# Altium PCB LimePSB-RPCM_1v5.PcbDoc (part 3 of 12) (continued)
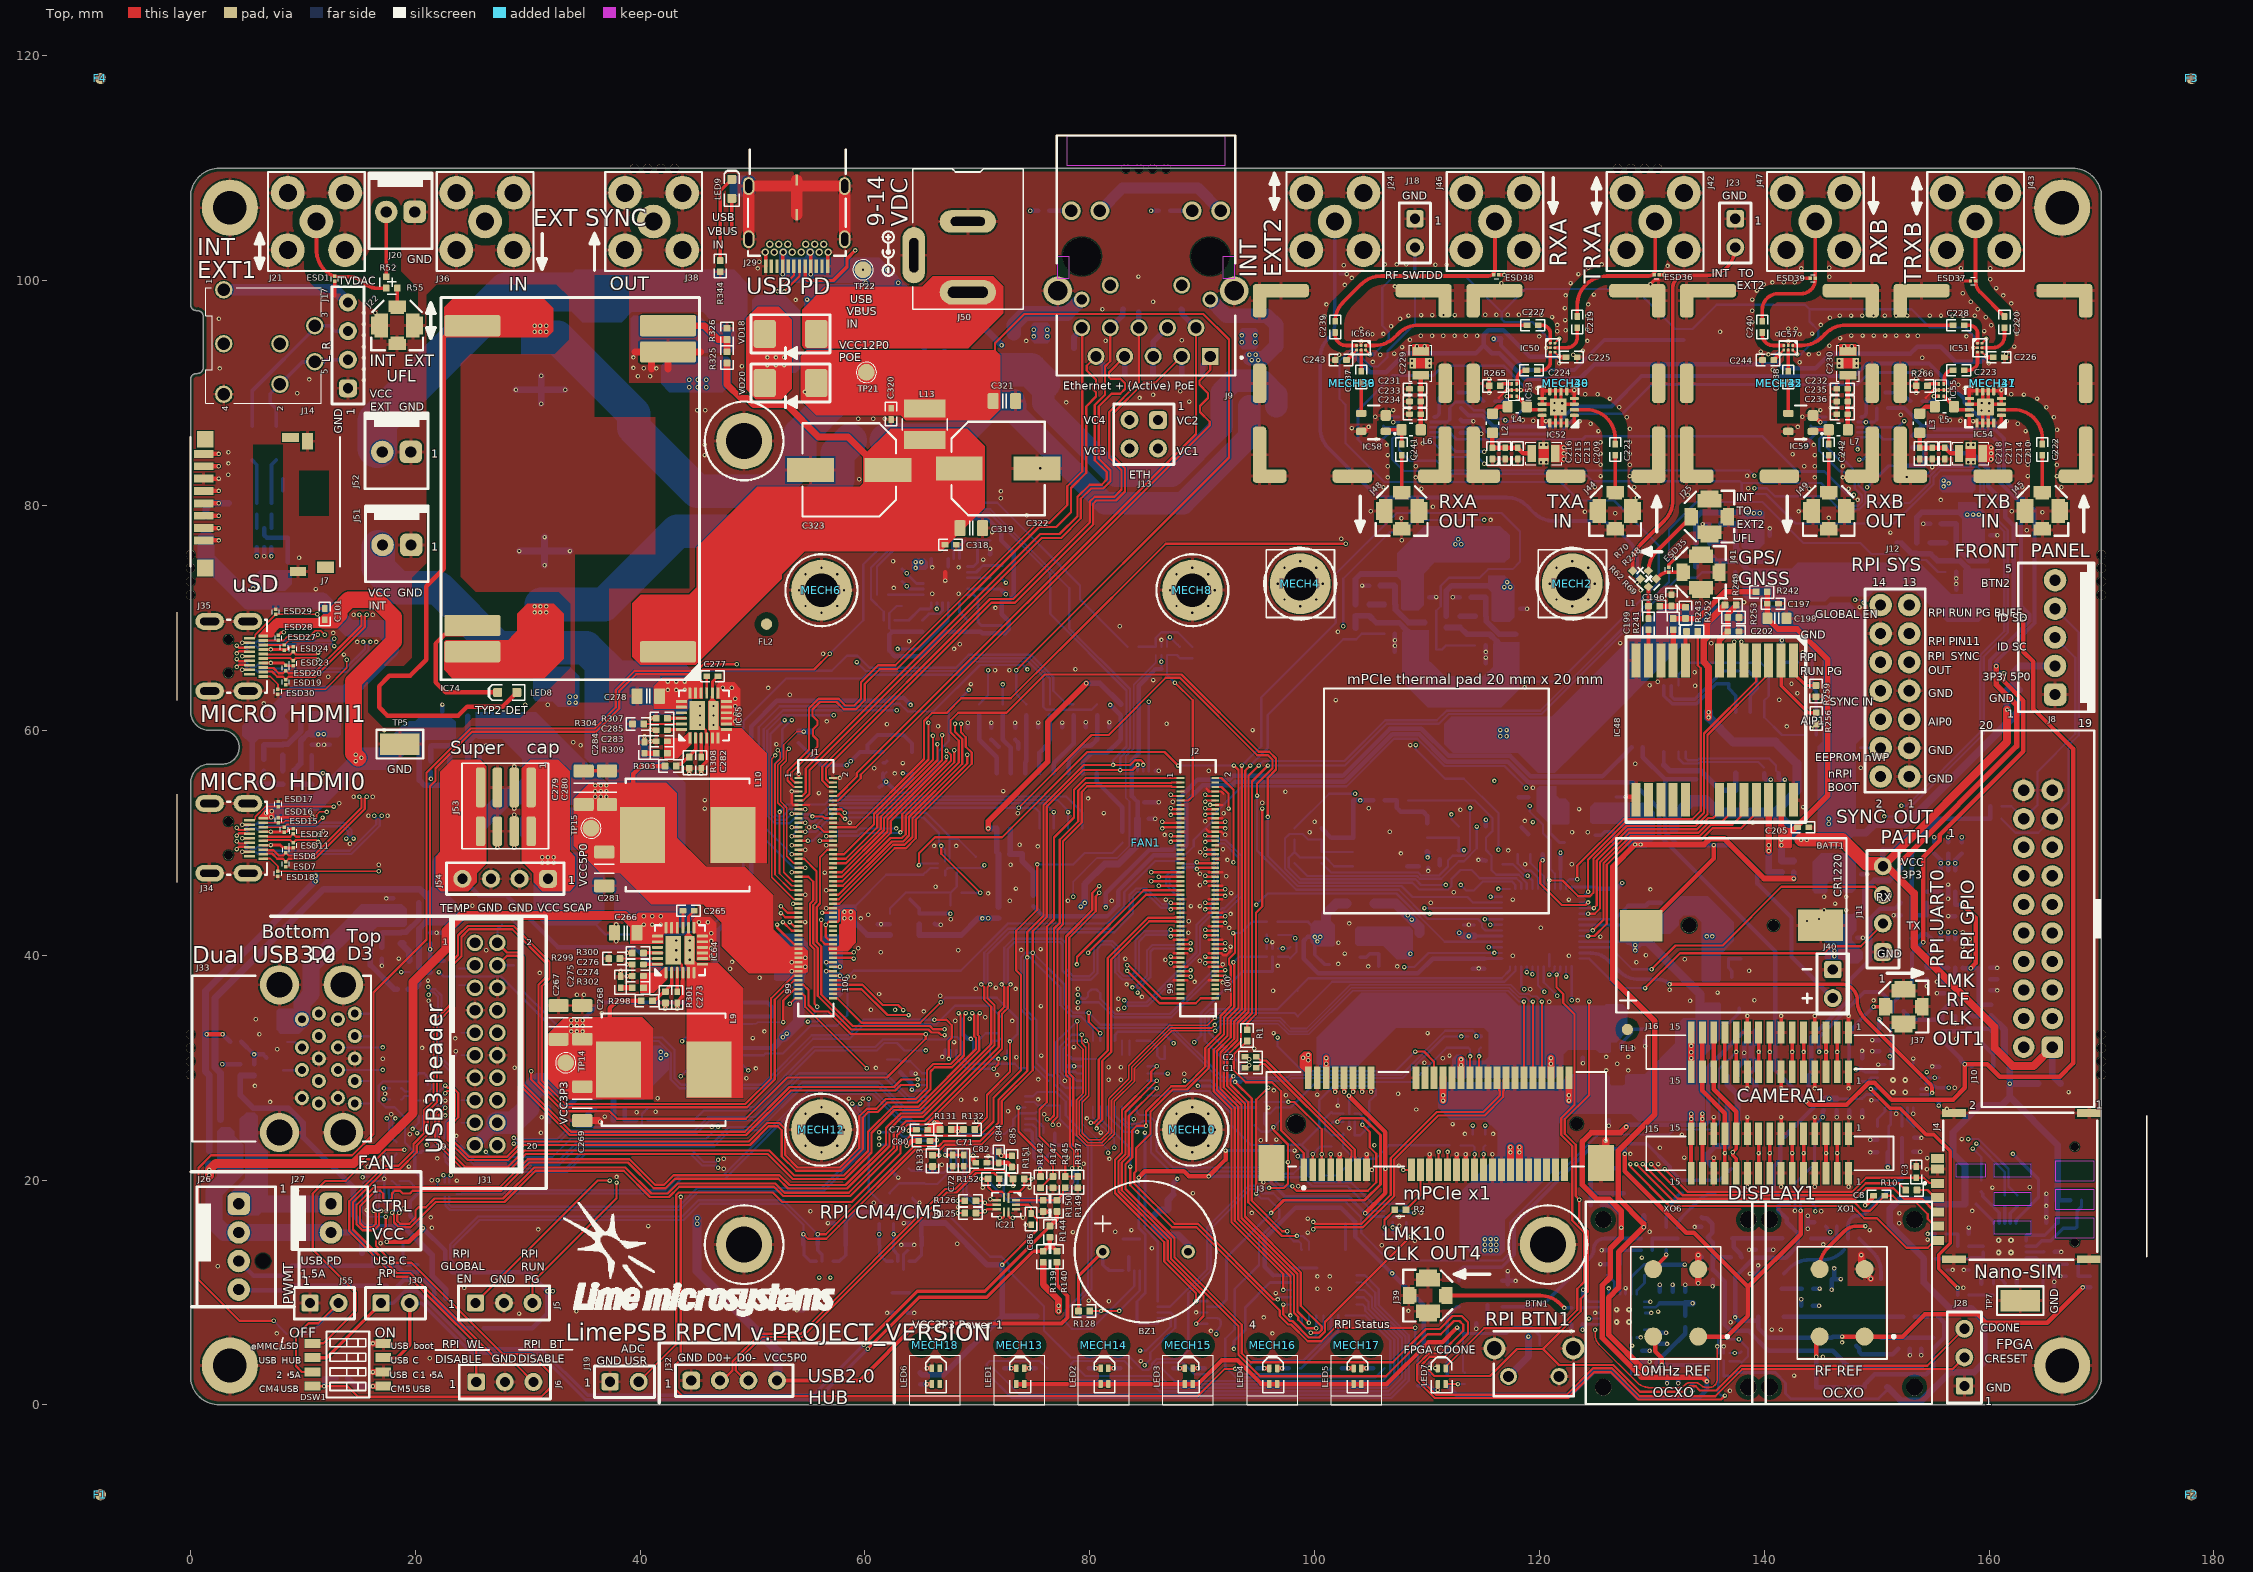
[diagram p0: Top view]
## Part data (continued)
IC5: library part NC7WZ16P6X_DUAL_BUFFER, Manufacturer=Nexperia, Manufacturer Part Number 1=74LVC2G34GW,125, Supplier Part Number 1=1727-4219-1-ND, ComponentLink1Description=https://assets.nexperia.com/documents/data-sheet/74LVC2G34.pdf?src-supplier=Digi-Key, ComponentLink1URL=https://assets.nexperia.com/documents/data-sheet/74LVC2G34.pdf?src-supplier=Digi-Key, Part Description="Buffer, Non-Inverting 2 Element 1 Bit per Element Push-Pull Output 6-TSSOP", Pricing 1="1=0,430000, 10=0,321000, 25=0,281200, 100=0,182000, 250=0,150640, 500=0,120520, 1000=0,092400 (USD)", RoHS=Yes, RoHS Compliant=Yes, Stock 1=2900, Supplier 1=Digi-Key
IC6: library part MCP3208-CI/SL, "2.7V 4-Channel/8-Channel 12-Bit A/D Converters with SPI Serial Interface, 16-Pin SOIC 150mil, C Performance Grade, Industrial Temperature", Manufacturer=Microchip, Manufacturer Part Number 1=MCP3208T-CI/SL, Supplier Part Number 1=MCP3208T-CI/SLCT-ND, Mounting Technology="Surface Mount", PackageDescription="16-Lead Plastic Small Outline (SL) - Narrow, 3.90mm Body [SOIC]", PackageReference=SOIC-SL16, PackageVersion="revBB, Aug-2009", Part Description="12 Bit Analog to Digital Converter 4, 8 Input 1 SAR 16-SOIC", PartNumber=MCP3208-CI/SL, Supplier 1=Digi-Key
IC7: Manufacturer="NXP Semiconductors", Manufacturer Part Number 1=LM75BTP,147, Operating Temperature="-55°C ~ 125°C", Package / Case="8-WFDFN Exposed Pad", Sensing Temperature - Remote=-, Supplier Device Package="8-HWSON (2x3)", Supplier Part Number 1=568-9815-2-ND, Voltage - Supply="2.8 V ~ 5.5 V", Accuracy - Highest (Lowest)="±2°C (±3°C)", Category="Sensors, Transducers", Features="Output Switch, Programmable Limit, Shutdown Mode", Output Type=I²C, Packaging="Tape & Reel (TR)", Part Description="SENSOR TEMPERATURE I2C 8HWSON", Resolution="10 b", RoHS="RoHS Compliant", Sensing Temperature - Local="-55°C ~ 125°C", Sensor Type="Digital, Local", Supplier 1=Digi-Key, Test Condition="-25°C ~ 100°C (-55°C ~ 125°C)"
IC8: library part 24FC64F, Base Part Number=CAT24C128, Manufacturer="ON Semiconductor", Operating Temperature="-40°C ~ 85°C (TA)", Package / Case="8-SOIC (0.154\", 3.90mm Width)", Supplier Device Package=8-SOIC, Supplier Part Number 1=CAT24C128WI-GT3CT-ND, Voltage - Supply="1.8 V ~ 5.5 V", Category="Integrated Circuits (ICs)", ComponentLink1Description=http://www.onsemi.com/pub/Collateral/CAT24C128-D.PDF, ComponentLink1URL=http://www.onsemi.com/pub/Collateral/CAT24C128-D.PDF, Manufacturer Part Number 1=CAT24C128WI-GT3, Memory Format=EEPROM, Memory Interface=I²C, Memory Size="128Kb (16K x 8)", Memory Type=Non-Volatile, Mounting Type="Surface Mount", Packaging="Cut Tape (CT)", Part Description="EEPROM Memory IC 128Kb (16K x 8) I²C 1MHz 400ns 8-SOIC", Part Status=Active, Pricing 1="1=0.31, 10=0.309, 100=0.2532, 500=0.24616, 1000=0.23956 (USD)", RoHS="RoHS Compliant", Stock 1=14804, Supplier 1=Digi-Key, Technology=EEPROM, Write Cycle Time - Word, Page=5ms
IC9: library part M24128-DFMC6TG, Manufacturer=STMicroelectronics, Operating Temperature="-40°C ~ 85°C (TA)", Package / Case="8-UFDFN Exposed Pad", Supplier Device Package="8-UFDFPN (2x3)", Supplier Part Number 1=497-15739-1-ND, Voltage - Supply="1.7 V ~ 5.5 V", Category="Integrated Circuits (ICs)", ComponentLink1Description=http://www.st.com/content/ccc/resource/technical/document/datasheet/59/05/c9/5b/7b/41/48/b6/CD00259167.pdf/files/CD00259167.pdf/jcr:content/translations/en.CD00259167.pdf, ComponentLink1URL=http://www.st.com/content/ccc/resource/technical/document/datasheet/59/05/c9/5b/7b/41/48/b6/CD00259167.pdf/files/CD00259167.pdf/jcr:content/translations/en.CD00259167.pdf, Manufacturer Part Number 1=M24128-DFMC6TG, Memory Format=EEPROM, Memory Interface=I²C, Memory Size="128Kb (16K x 8)", Memory Type=Non-Volatile, Mounting Type="Surface Mount", Packaging="Cut Tape (CT)", Part Description="EEPROM Memory IC 128Kb (16K x 8) I²C 1MHz 450ns 8-UFDFPN (2x3)", Part Status=Active, Pricing 1="1=0.35, 10=0.348, 100=0.2854, 500=0.27748, 1000=0.27004 (USD)", RoHS="RoHS Compliant", Stock 1=5894, Supplier 1=Digi-Key, Technology=EEPROM, Write Cycle Time - Word, Page=5ms
IC10: library part ATECC508A_authentication_IC, Base Part Number=ATECC508, Manufacturer="Microchip Technology", Manufacturer Part Number 1=ATECC508A-SSHDA-T, Package / Case="8-SOIC (0.154\", 3.90mm Width)", Supplier Device Package=8-SOIC, Supplier Part Number 1=ATECC508A-SSHDA-TCT-ND, Applications="Networking and Communications", Category="Integrated Circuits (ICs)", Mounting Type="Surface Mount", Packaging="Cut Tape (CT)", Part Description="Authentication Chip IC Networking and Communications 8-SOIC", Part Status=Active, RoHS="RoHS Compliant", Supplier 1=Digi-Key, Type="Authentication Chip"
IC11: library part ATECC508A_authentication_IC, Manufacturer=Microchip, Manufacturer Part Number 1=ATECC508A-MAHDA-S, Supplier Part Number 1=ATECC508A-MAHDA-SDKR-ND, Part Description="Authentication Chip IC Networking and Communications 8-UDFN (2x3)", Pricing 1="1=0.73, 25=0.7064 (USD)", Stock 1=27941, Supplier 1=Digi-Key
IC12 IC15: library part MCP23017-E/ML_I2C_expander, Manufacturer=Microchip, Supplier Part Number 1=MCP23017-E/ML-ND, ComponentLink1Description=https://datasheet.ciiva.com/1496/12179-1496011.pdf?src-supplier=Element14, ComponentLink1URL=https://datasheet.ciiva.com/1496/12179-1496011.pdf?src-supplier=Element14, ComponentLink2Description=https://datasheet.ciiva.com/1780/21952b-1780121.pdf?src-supplier=Digi-Key, ComponentLink2URL=https://datasheet.ciiva.com/1780/21952b-1780121.pdf?src-supplier=Digi-Key, ComponentLink3Description=https://datasheet.ciiva.com/3149/21952b-3149158.pdf?src-supplier=Avnet, ComponentLink3URL=https://datasheet.ciiva.com/3149/21952b-3149158.pdf?src-supplier=Avnet, ComponentLink4Description=https://datasheet.ciiva.com/16222/filehandler-aspxddocname-en023709-16222331.pdf?src-supplier=Future+Electronics, ComponentLink4URL=https://datasheet.ciiva.com/16222/filehandler-aspxddocname-en023709-16222331.pdf?src-supplier=Future+Electronics, Manufacturer Part Number 1=MCP23017-E/ML, Part Description="I/O Expander 16 I²C 1.7 MHz 28-QFN (6x6)", Pricing 1="1=1,9, 25=1,59, 100=1,44 (USD)", RoHS=Yes, Stock 1=3965, Supplier 1=Digi-Key
IC13: library part EMC2301-1-ACZL-TR_MOTOR_DRIVER, Case/Package=MSOP, Manufacturer=Microchip, Max Operating Temperature=125°C, Max Supply Voltage=3.6V, Min Operating Temperature=-40°C, Min Supply Voltage=3V, Operating Supply Current=350uA, Operating Supply Voltage=3.3V, Supplier Part Number 1=EMC2301-1-ACZL-CT-ND, ComponentLink1Description=https://datasheet.ciiva.com/29573/2301-29573777.pdf?src-supplier=Digikey, ComponentLink1URL=https://datasheet.ciiva.com/29573/2301-29573777.pdf?src-supplier=Digikey, ComponentLink2Description=https://datasheet.ciiva.com/48437/2301-48437622.pdf?src-supplier=Avnet, ComponentLink2URL=https://datasheet.ciiva.com/48437/2301-48437622.pdf?src-supplier=Avnet, Interface=I2C,SMBus,2-Wire,PWM, Lead Free="Lead Free", Manufacturer Part Number 1=EMC2301-1-ACZL-TR, Max Supply Voltage (DC)=3.6V, Min Supply Voltage (DC)=3V, Mount="Surface Mount", Number of Pins=8, Output Type=Digital, Packaging="Tape and Reel", Part Description="IC MOTOR DRIVER 3V-3.6V 8MSOP", Pricing 1="1=1,23, 25=1,03, 100=0,9875 (USD)", RoHS=Yes, Series=-, Stock 1=45372, Supplier 1=Digikey
IC14: library part PCF85063AT_RTC_CALENDAR, Case/Package=SOIC, Manufacturer="NXP Semiconductors", Manufacturer Part Number 1=PCF85063AT/AY, Max Operating Temperature=85°C, Min Operating Temperature=-40°C, Supplier Part Number 1=568-12403-1-ND, ComponentLink1Description=http://www.farnell.com/datasheets/2014362.pdf?src-supplier=Farnell, ComponentLink1URL=http://www.farnell.com/datasheets/2014362.pdf?src-supplier=Farnell, ComponentLink2Description=https://www.nxp.com/docs/en/data-sheet/PCF85063A.pdf?src-supplier=Digi-Key, ComponentLink2URL=https://www.nxp.com/docs/en/data-sheet/PCF85063A.pdf?src-supplier=Digi-Key, ComponentLink3Description=http://www.nxp.com/documents/data_sheet/PCF85063A.pdf?src-supplier=Avnet, ComponentLink3URL=http://www.nxp.com/documents/data_sheet/PCF85063A.pdf?src-supplier=Avnet, ComponentLink4Description=https://datasheet.ciiva.com/48465/pcf85063a-48465101.pdf?src-supplier=Avnet, ComponentLink4URL=https://datasheet.ciiva.com/48465/pcf85063a-48465101.pdf?src-supplier=Avnet, Date Format=YY-MM-DD-dd, Interface=I2C,Serial,2-Wire, Lead Free="Lead Free", Logic Function=Clock, Mount="Surface Mount", Number of Pins=8, Packaging="Tape and Reel", Part Description="IC RTC CLOCK/CALENDAR I2C 8SO", Pricing 1="1=1,05000, 10=0,93800, 25=0,89040, 100=0,73150, 250=0,68380, 500=0,60428, 1000=0,47707 (USD)", Radiation Hardening=No, RoHS=Yes, RoHS Compliant=Yes, Stock 1=6716, Supplier 1=Digi-Key, Time Format="HH:MM:SS (12/24 hr)"
IC16: library part PCF85063AT_RTC_CALENDAR, Case/Package=TSSOP, Manufacturer="NXP Semiconductors", Manufacturer Part Number=PCF85063ATT/AJ, Max Operating Temperature=85°C, Max Supply Voltage=5.5V, Min Operating Temperature=-40°C, Min Supply Voltage=900mV, Supplier Part Number 1=568-12404-1-ND, ComponentLink1Description=http://www.farnell.com/datasheets/2014362.pdf?src-supplier=Farnell, ComponentLink1URL=http://www.farnell.com/datasheets/2014362.pdf?src-supplier=Farnell, ComponentLink2Description=https://www.nxp.com/docs/en/data-sheet/PCF85063A.pdf?src-supplier=Digi-Key, ComponentLink2URL=https://www.nxp.com/docs/en/data-sheet/PCF85063A.pdf?src-supplier=Digi-Key, ComponentLink3Description=http://www.nxp.com/documents/data_sheet/PCF85063A.pdf?src-supplier=Avnet, ComponentLink3URL=http://www.nxp.com/documents/data_sheet/PCF85063A.pdf?src-supplier=Avnet, Contact Plating=Gold, Date Format=YY-MM-DD-dd, Interface=I2C,Serial,2-Wire, Lead Free="Lead Free", Logic Function=Clock, Manufacturer Part Number 1=PCF85063ATT/AJ, Mount="Surface Mount", Number of Pins=8, Packaging="Tape and Reel", Part Description="Real Time Clock (RTC) IC Clock/Calendar - I²C, 2-Wire Serial 8-SOIC (0.154\", 3.90mm Width)", Pricing 1="1=1,06000, 10=0,94800, 25=0,89920, 100=0,73870, 250=0,69056, 500=0,61028, 1000=0,50779 (USD)", RoHS=Yes, RoHS Compliant=Yes, Stock 1=56211, Supplier 1=Digi-Key, Time Format="HH:MM:SS (12/24 hr)"
IC18: library part ICE5LP4K-SG48ITR_Lattice_FPGA, Manufacturer="Lattice Semiconductor", Supplier Part Number 1=220-2234-1-ND, ComponentLink1Description=https://datasheet.octopart.com/ICE5LP4K-SG48ITR-Lattice-Semiconductor-datasheet-46750633.pdf?src-supplier=Future+Electronics, ComponentLink1URL=https://datasheet.octopart.com/ICE5LP4K-SG48ITR-Lattice-Semiconductor-datasheet-46750633.pdf?src-supplier=Future+Electronics, ComponentLink2Description=http://www.latticesemi.com/~/media/LatticeSemi/Documents/DataSheets/iCE/iCE40UltraFamilyDataSheet.pdf?src-supplier=Digikey, ComponentLink2URL=http://www.latticesemi.com/~/media/LatticeSemi/Documents/DataSheets/iCE/iCE40UltraFamilyDataSheet.pdf?src-supplier=Digikey, ComponentLink3Description=https://datasheet.octopart.com/ICE5LP4K-SG48ITR-Lattice-Semiconductor-datasheet-94675077.pdf?src-supplier=SHENGYU+ELECTRONICS, ComponentLink3URL=https://datasheet.octopart.com/ICE5LP4K-SG48ITR-Lattice-Semiconductor-datasheet-94675077.pdf?src-supplier=SHENGYU+ELECTRONICS, Manufacturer Part Number 1=ICE5LP4K-SG48ITR, Part Description="iCE40 Ultra™ Field Programmable Gate Array (FPGA) IC 39 81920 3520 48-VFQFN Exposed Pad", Pricing 1="1=8,8, 25=7,65, 100=7,41 (USD)", RoHS=Yes, Stock 1=1298, Supplier 1=Digikey
IC19: library part M25P40_with_pad, Manufacturer=Macronix, Supplier Part Number 1=1092-MX25U1632FM2I02-ND, ComponentLink1Description=http://www.winbond.com/resource-files/w25q128jv%20revf%2003272018%20plus.pdf?src-supplier=Digi-Key, ComponentLink1URL=http://www.winbond.com/resource-files/w25q128jv%20revf%2003272018%20plus.pdf?src-supplier=Digi-Key, ComponentLink2Description=http://www.macronix.com/Lists/Datasheet/Attachments/7549/MX25L25645G,%203V,%20256Mb,%20v1.7.pdf?src-supplier=Digi-Key, ComponentLink2URL=http://www.macronix.com/Lists/Datasheet/Attachments/7549/MX25L25645G,%203V,%20256Mb,%20v1.7.pdf?src-supplier=Digi-Key, ComponentLink3Description=http://ckassoc.com/oldsite/pdf/Macronix_Product_Line_Card_July_2017_General%20_070617.pdf?src-supplier=Digi-Key, ComponentLink3URL=http://ckassoc.com/oldsite/pdf/Macronix_Product_Line_Card_July_2017_General%20_070617.pdf?src-supplier=Digi-Key, ComponentLink4Description=http://www.macronix.com/Lists/Datasheet/Attachments/7444/MX25L25673G,%203V,%20256Mb,%20v1.4.pdf?src-supplier=Digi-Key, ComponentLink4URL=http://www.macronix.com/Lists/Datasheet/Attachments/7444/MX25L25673G,%203V,%20256Mb,%20v1.4.pdf?src-supplier=Digi-Key, Manufacturer Part Number 1=MX25U1632FM2I02, Part Description="IC FLASH 16MBIT SPI/QUAD 8SOP", Pricing 1="1=0,6, 10=0,536, 25=0,5116, 92=0,47837, 184=0,46158, 276=0,45203, 552=0,43612, 1012=0,42265, 5060=0,4 (USD)", RoHS=No, Stock 1=6909, Supplier 1=Digikey
IC20: library part USB2517-JZX-TR_USB_HUB, Manufacturer=Microchip, Manufacturer Part Number 1=USB2517-JZX-TR, Max Operating Temperature=70°C, Min Operating Temperature=0°C, Operating Supply Current=130mA, Package Quantity=3000, Supplier Part Number 1=USB2517-JZX-CT-ND, ComponentLink1Description=https://datasheet.ciiva.com/29644/2517-29644802.pdf?src-supplier=Digi-Key, ComponentLink1URL=https://datasheet.ciiva.com/29644/2517-29644802.pdf?src-supplier=Digi-Key, Interface=USB, Lead Free="Lead Free", Packaging="Tape and Reel", Part Description="USB Hub Controller USB 2.0 USB Interface 64-QFN (9x9)", Pricing 1="1=5,72000, 25=5,55000 (USD)", RoHS=Yes, RoHS Compliant=Yes, Stock 1=26622, Supplier 1=Digi-Key
IC21 IC26 IC27 IC47: library part FSUSB42UMX, Manufacturer="NXP Semiconductors", Manufacturer Part Number 1=NX3DV42GU,115, Supplier Part Number 1=568-12388-1-ND, ComponentLink1Description=https://www.fairchildsemi.com/datasheets/FS/FSUSB42.pdf, ComponentLink1URL=https://www.fairchildsemi.com/datasheets/FS/FSUSB42.pdf, ComponentLink2Description=http://www.mouser.com/ds/2/302/NX3DV42-1127466.pdf?src-supplier=Mouser, ComponentLink2URL=http://www.mouser.com/ds/2/302/NX3DV42-1127466.pdf?src-supplier=Mouser, ComponentLink3Description=http://www.nxp.com/documents/data_sheet/NX3DV42.pdf?src-supplier=Avnet, ComponentLink3URL=http://www.nxp.com/documents/data_sheet/NX3DV42.pdf?src-supplier=Avnet, ComponentLink4Description=http://www.nxp.com/documents/data_sheet/NX3DV42.pdf?src-supplier=Digikey, ComponentLink4URL=http://www.nxp.com/documents/data_sheet/NX3DV42.pdf?src-supplier=Digikey, ComponentLink5Description=https://www.nxp.com/docs/en/data-sheet/NX3DV42.pdf?src-supplier=Digikey, ComponentLink5URL=https://www.nxp.com/docs/en/data-sheet/NX3DV42.pdf?src-supplier=Digikey, Part Description="USB Switch IC 1 Channel 10-UMLP (1.8x1.4)", Pricing 1="1=0,89, 10=0,781, 25=0,7336, 100=0,5987, 250=0,55612, 500=0,47328, 1000=0,37863 (USD)", RoHS=Yes, Stock 1=3109, Supplier 1=Digikey
IC22: library part 24FC64F, Case/Package=SOIC, Frequency=400kHz, Manufacturer=STMicroelectronics, Manufacturer Part Number 1=M24C02-RMN6TP, Max Operating Temperature=85°C, Max Supply Voltage=5.5V, Min Operating Temperature=-40°C, Min Supply Voltage=1.8V, Nominal Supply Current=800uA, Package Quantity=1, Supplier Part Number 1=497-8633-1-ND, Access Time=900ns, Access Time-Max=900ns, ComponentLink1Description=http://www.onsemi.com/pub/Collateral/CAT24C128-D.PDF, ComponentLink1URL=http://www.onsemi.com/pub/Collateral/CAT24C128-D.PDF, ComponentLink2Description=https://datasheet.ciiva.com/41455/001186000-da-01-en-ic-eeprom-2kbit-m24c02-rmn6tp-soic-8-stm-41455162.pdf?src-supplier=Conrad, ComponentLink2URL=https://datasheet.ciiva.com/41455/001186000-da-01-en-ic-eeprom-2kbit-m24c02-rmn6tp-soic-8-stm-41455162.pdf?src-supplier=Conrad, Contact Plating=Gold, Density=2Kb, Height=1.25mm, Interface=I2C,Serial,2-Wire, Lead Free="Lead Free", Length=4.9mm, Max Frequency=400kHz, Memory Size=2Kb, Memory Type=EEPROM, Mount="Surface Mount", Number of Pins=8, Organization=256X8, Packaging="Tape and Reel", Part Description="IC EEPROM 2KBIT I2C 400KHZ 8SOIC", Pricing 1="1=0,17000, 10=0,16400, 25=0,15200, 50=0,15140, 100=0,13440, 250=0,13272, 500=0,13070, 1000=0,12721 (USD)", Programming Voltage=5.5V, Radiation Hardening=No, Reach SVHC Compliant=Yes, RoHS=Yes, RoHS Compliant=Yes, Series=-, Stock 1=84403, Supplier 1=Digi-Key, Supply Current=800uA, Supply Voltage-Nom=5.5V, Width=3.9mm, Write Cycle Time-Max (tWC)=5ms, Write Protection=YES
IC23: library part M24128-DFMC6TG, Manufacturer=Microchip, Manufacturer Part Number 1=AT24C02C-MAHM-E, Supplier Part Number 1=AT24C02C-MAHM-ECT-ND, ComponentLink1Description=http://www.st.com/content/ccc/resource/technical/document/datasheet/59/05/c9/5b/7b/41/48/b6/CD00259167.pdf/files/CD00259167.pdf/jcr:content/translations/en.CD00259167.pdf, ComponentLink1URL=http://www.st.com/content/ccc/resource/technical/document/datasheet/59/05/c9/5b/7b/41/48/b6/CD00259167.pdf/files/CD00259167.pdf/jcr:content/translations/en.CD00259167.pdf, ComponentLink2Description=http://www.microchip.com/mymicrochip/filehandler.aspx?ddocname=en590438&src-supplier=Digi-Key, ComponentLink2URL=http://www.microchip.com/mymicrochip/filehandler.aspx?ddocname=en590438&src-supplier=Digi-Key, Part Description="IC EEPROM 2KBIT I2C 1MHZ 8UDFN", Pricing 1="1=0,28000 (USD)", RoHS=No, RoHS Compliant=No, Stock 1=14438, Supplier 1=Digi-Key
IC29 IC30: library part FUSB340TMX_USB_switch, Manufacturer="ON Semiconductor / Fairchild", Max Operating Temperature=85°C, Max Supply Voltage=5V, Min Operating Temperature=-40°C, Min Supply Voltage=1.5V, Nominal Supply Current=12uA, Supplier Part Number 1=FUSB340TMXCT-ND, ComponentLink1Description=http://www.farnell.com/datasheets/2313412.pdf?src-supplier=Farnell, ComponentLink1URL=http://www.farnell.com/datasheets/2313412.pdf?src-supplier=Farnell, ComponentLink2Description=http://www.farnell.com/datasheets/2313412.pdf?src-supplier=Newark, ComponentLink2URL=http://www.farnell.com/datasheets/2313412.pdf?src-supplier=Newark, ComponentLink3Description=https://datasheet.octopart.com/FUSB340TMX-ON-Semiconductor-datasheet-85553255.pdf?src-supplier=Farnell, ComponentLink3URL=https://datasheet.octopart.com/FUSB340TMX-ON-Semiconductor-datasheet-85553255.pdf?src-supplier=Farnell, ComponentLink4Description=https://datasheet.octopart.com/FUSB340TMX-ON-Semiconductor-datasheet-46935021.pdf?src-supplier=Future+Electronics, ComponentLink4URL=https://datasheet.octopart.com/FUSB340TMX-ON-Semiconductor-datasheet-46935021.pdf?src-supplier=Future+Electronics, ComponentLink5Description=https://www.fairchildsemi.com/Assets/-Featured-Collateral/Datasheet-Briefs/FUSB340_PB_Final.pdf?src-supplier=Avnet, ComponentLink5URL=https://www.fairchildsemi.com/Assets/-Featured-Collateral/Datasheet-Briefs/FUSB340_PB_Final.pdf?src-supplier=Avnet, Data Rate=10Gbps, Height=400um, Interface=USB, Manufacturer Part Number 1=FUSB340TMX, Mount="Surface Mount", Number of Pins=18, Number of Switches=4, Operating Supply Current=12uA, Packaging="Cut Tape", Part Description="USB Switch USB 3.1 USB Interface 18-TMLP (2x2.8)", Pricing 1="1=1,15, 10=1,026, 25=0,9744, 100=0,7481, 250=0,66108, 500=0,6263, 1000=0,48712, 2500=0,46277 (USD)", RoHS=Yes, RoHS Compliant=Yes, Series=-, Stock 1=7942, Supplier 1=Digikey, Weight=0.0065g
IC31 IC39: Frequency - Max=200MHz, Manufacturer="Texas Instruments", Manufacturer Part Number 1=LMK00105SQ/NOPB, Operating Temperature="-40°C ~ 85°C", Package / Case="24-WFQFN Exposed Pad", Supplier Device Package="24-WQFN (4x4)", Supplier Part Number 1=LMK00105SQ/NOPBCT-ND, Voltage - Supply="2.375 V ~ 3.45 V", Category="Integrated Circuits (ICs)", Differential - Input:Output=Yes/No, Input="HCSL, LVCMOS, LVDS, LVPECL, LVTTL, SSTL, Crystal", Part Description="IC CLK BUFFER 2:5 200MHZ 24WQFN", Supplier 1=Digi-Key, Type="Fanout Buffer (Distribution), Multiplexer, Translator"
IC32: library part TMUX1204DGSR_ANALOG_SWITCH, Manufacturer="Texas Instruments", Max Supply Voltage=5.5V, Min Supply Voltage=1.08V, Nominal Supply Current=10nA, On-State Resistance=5R, Resistance=9R, Supplier Part Number 1=296-TMUX1204DGSRCT-ND, ComponentLink1Description=http://www.ti.com/general/docs/suppproductinfo.tsp?distId=10&amp;gotoUrl=http%3A%2F%2Fwww.ti.com%2Flit%2Fgpn%2Ftmux1204&src-supplier=Digikey, ComponentLink1URL=http://www.ti.com/general/docs/suppproductinfo.tsp?distId=10&amp;gotoUrl=http%3A%2F%2Fwww.ti.com%2Flit%2Fgpn%2Ftmux1204&src-supplier=Digikey, Height=1.07mm, Length=3mm, Manufacturer Part Number 1=TMUX1204DGSR, Number of Channels=1NUMBER, Number of Pins=10NUMBER, Part Description="1 Circuit IC Switch 4:1 5Ohm (Typ) 10-VSSOP", Pricing 1="1=0,49, 10=0,347, 25=0,3096, 100=0,269, 250=0,24964, 500=0,23794, 1000=0,22832 (USD)", RoHS=Yes, Stock 1=2584, Supplier 1=Digikey, Thickness=1.02mm, Throw Configuration="4360Throw Configuration", Width=3mm
IC34 IC44: library part LP5907, Case/Package=SOT-23-5, Dropout Voltage=50mV, Manufacturer="Texas Instruments", Manufacturer Part Number 1=LP5907QMFX-3.0Q1, Max Input Voltage=5.5V, Max Operating Temperature=125°C, Max Output Current=250mA, Min Input Voltage=2.2V, Min Operating Temperature=-40°C, Output Voltage=3V, Quiescent Current=425uA, Supplier Part Number 1=296-40364-1-ND, Accuracy=2%, ComponentLink1Description=https://datasheet.ciiva.com/48677/lp5907-q1-48677562.pdf?src-supplier=Avnet, ComponentLink1URL=https://datasheet.ciiva.com/48677/lp5907-q1-48677562.pdf?src-supplier=Avnet, Lead Free="Lead Free", Mount="Surface Mount", Number of Outputs=1, Number of Regulators=1, Output Current=250mA, Output Type=Fixed, Packaging="Tape and Reel", Part Description="Linear Voltage Regulator IC Positive Fixed 1 Output  250mA SOT-23-5", Polarity=Positive, Pricing 1="1 = 0,65000, 10 = 0,56000, 100 = 0,41820, 500 = 0,32858, 1000 = 0,25390 (USD)", Radiation Hardening=No, RoHS=Yes, Stock 1=90911, Supplier 1=Digi-Key
IC36: Manufacturer="Analog Devices Inc.", Manufacturer Part Number 1=AD5662BRJZ-2REEL7, Operating Temperature="-40°C ~ 125°C", Package / Case=SOT-23-8, Supplier Part Number 1=AD5662BRJZ-2REEL7CT-ND, Voltage - Supply, Analog="2.7 V ~ 5.5 V", Architecture="String DAC", Category="Integrated Circuits (ICs)", ComponentLink1Description=http://www.analog.com/media/en/technical-documentation/data-sheets/AD5662.pdf, ComponentLink1URL=http://www.analog.com/media/en/technical-documentation/data-sheets/AD5662.pdf, Data Interface="SPI, DSP", Differential Output=No, INL/DNL (LSB)="±8, ±1 (Max)", Number of Bits=16, Number of D/A Converters=1, Output Type="Voltage - Buffered", Packaging="Cut Tape (CT)", Part Description="IC DAC 16BIT BUFF V-OUT SOT23-8", Part Status=Active, Pricing 1="1=7.55, 10=6.821, 100=5.6469, 500=4.91722, 1000=4.28274 (USD)", Reference Type=External, RoHS="RoHS Compliant", Settling Time=10µs, Stock 1=2784, Supplier 1=Digi-Key, Supplier Device Package=SOT-23-8, Voltage - Supply, Digital="2.7 V ~ 5.5 V"
IC37: Manufacturer="Analog Devices Inc", Manufacturer Part Number 1=ADF4002BCPZ-RL7, Operating Temperature="-40°C ~ 85°C", Package / Case="20-VFQFN Exposed Pad, CSP", Supplier Part Number 1=ADF4002BCPZ-RL7CT-ND, Voltage - Supply="2.7 V ~ 3.3 V", Category="Integrated Circuits (ICs)", Differential - Input:Output=Yes/No, Input="CMOS, TTL", Mounting Type="Surface Mount", Part Description="IC PLL FREQUENCY SYNTH 20-LFCSP", Ratio - Input:Output=2:1, Supplier=Digi-Key, Supplier 1=Digi-Key, Type="Clock/Frequency Synthesizer (RF), Phase Detector"
IC38: "Single 8-Bit nanoDAC with SPI Interface in LFCSP and SC70, 2.7 to 5.5 V, <100 uA, -40 to +125 degC, KS-6, Pb-Free, Reel", Generic Part Number=AD5601, Manufacturer="Analog Devices", Supplier Part Number 1=AD5601BKSZ-REEL7TR-ND, # DAC Outputs=1, Code_JEDEC=MO-203-AB, ComponentLink1Description="Manufacturer URL", ComponentLink1URL=http://www.analog.com/en/index.html, ComponentLink2Description=Datasheet, ComponentLink2URL=http://www.analog.com/static/imported-files/data_sheets/AD5601_5611_5621.pdf, ComponentLink3Description="Package Specification", ComponentLink3URL=http://www.analog.com/static/imported-files/packages/PKG_PDF/SC70(KS)/KS_6.pdf, ComponentLink4Description="Product URL", ComponentLink4URL=http://www.analog.com/en/digital-to-analog-converters/da-converters/ad5601/products/product.html, DatasheetVersion=Rev.F, Manufacturer Part Number 1=AD5601BKSZ-REEL7, Max V+=5.5V, Mounting Technology="Surface Mount", Op Pwr Diss=550µW, PackageDescription="6-Lead Thin Shrink Small Outline Transistor Package [SC70]", PackageReference=KS-6, PackageVersion=072809-A, Packing=Reel, Part Description="IC DAC 8BIT BUFF V-OUT SC70-6", PartNumber=AD5601BKSZ-REEL7, Resolution (Bits)=8, RoHS=Y, Settling Time=6µs, Single Supply=Yes, Supplier 1=Digi-Key, Supplier 2=Digi-Key, Supplier 3=Digi-Key, Supplier 4=Farnell, Supplier 5=Newark, Supplier 6=Newark, Supplier 7=Mouser, Supplier Part Number 2=AD5601BKSZ-REEL7CT-ND, Supplier Part Number 3=AD5601BKSZ-REEL7DKR-ND, Supplier Part Number 4=2312971, Supplier Part Number 5=59K4256, Supplier Part Number 6=67W3160, Supplier Part Number 7=584-AD5601BKSZ-R7
IC46 IC49: Case/Package=SOT-23-6, Manufacturer="Texas Instruments", Manufacturer Part Number 1=SN74AXC1T45DBVR, Max Operating Temperature=125°C, Min Operating Temperature=-40°C, Supplier Part Number 1=296-47598-1-ND, Channel Type=Bidirectional, ComponentLink1Description=http://www.ti.com/lit/ds/symlink/sn74axc1t45.pdf?src-supplier=Digi-Key, ComponentLink1URL=http://www.ti.com/lit/ds/symlink/sn74axc1t45.pdf?src-supplier=Digi-Key, ComponentLink2Description=http://www.ti.com/general/docs/suppproductinfo.tsp?distId=10&amp;gotoUrl=http%3A%2F%2Fwww.ti.com%2Flit%2Fgpn%2Fsn74axc1t45&src-supplier=Digi-Key, ComponentLink2URL=http://www.ti.com/general/docs/suppproductinfo.tsp?distId=10&amp;gotoUrl=http%3A%2F%2Fwww.ti.com%2Flit%2Fgpn%2Fsn74axc1t45&src-supplier=Digi-Key, Data Rate=500Mbps, Mount="Surface Mount", Number of Bits=1, Number of Circuits=1, Packaging="Cut Tape", Part Description="Voltage Level Translator Bidirectional 1 Circuit 1 Channel 500Mbps SOT-23-6", Pricing 1="1=0,68000, 10=0,59800, 25=0,56200, 100=0,45860, 250=0,42596, 500=0,36252, 1000=0,29002 (USD)", RoHS=Yes, RoHS Compliant=Yes, Stock 1=116252, Supplier 1=Digi-Key
IC48: library part NEO-M8P_M8M, "GNSS engine for GPS/QZSS, GLONASS", Current - Receiving=21mA, Frequency=1.575GHz, Manufacturer=U-blox, Manufacturer Part Number 1=NEO-M8Q-0, Operating Temperature="-40°C ~ 85°C", Package / Case="24-SMD Module", Supplier Device Package=-, Supplier Part Number 1=672-1009-1-ND, Voltage - Supply="1.65 V ~ 3.6 V", Antenna Connector=-, Applications="General Purpose", Category="RF/IF and RFID", ComponentLink1Description=https://www.u-blox.com/en/product/neo-7-series, ComponentLink1URL=https://www.u-blox.com/en/product/neo-7-series, ComponentLink2Description=Datasheet, ComponentLink3Description=https://www.u-blox.com/sites/default/files/NEO-M8-FW3_DataSheet_(UBX-15031086).pdf, ComponentLink3URL=https://www.u-blox.com/sites/default/files/NEO-M8-FW3_DataSheet_(UBX-15031086).pdf, Data Interface="I2C, SPI, UART, USB", Data Rate (Max)=-, DatasheetVersion="R07 11-Nov-2014", Features=-, Memory Size=-, Modulation or Protocol="BeiDou, Galileo, GLONASS, GNSS, GPS", PackageDescription="NEO-7 series 12.2 x 16 x 2.4 mm", Packaging="Cut Tape (CT)", Part Description="IC RECEIVER GPS/GNSS 24LCC", Part Status=Active, Pricing 1="1=30.59, 10=26.65, 50=17.3, 100=13.169 (USD)", RoHS="RoHS Compliant", Sensitivity=-167dBm, Stock 1=444, Supplier 1=Digi-Key
IC50 IC51 IC56 IC57: library part BGS12WN6E6327XTSA1_RF_SWITCH, Ambient Temperature Range High=85°C, Manufacturer=Infineon, Manufacturer Part Number 1=BGS12WN6E6327XTSA1, Max Frequency=6GHz, Max Junction Temperature (Tj)=125°C, Max Supply Current=120µA, Min Operating Temperature=-40°C, Supplier Part Number 1=448-BGS12WN6E6327XTSA1CT-ND, Bandwidth=8.95GHz, China RoHS=Compliant, ComponentLink1Description=https://datasheet.octopart.com:443/BGS12WN6E6327XTSA1-Infineon-datasheet-180052878.pdf?src-supplier=IHS, ComponentLink1URL=https://datasheet.octopart.com:443/BGS12WN6E6327XTSA1-Infineon-datasheet-180052878.pdf?src-supplier=IHS, ComponentLink2Description=http://sigma.octopart.com:80/conflict_mineral_statement/Infineon-company-51.pdf?src-supplier=Compliance+Statements, ComponentLink2URL=http://sigma.octopart.com:80/conflict_mineral_statement/Infineon-company-51.pdf?src-supplier=Compliance+Statements, Country of Origin="Germany, Mainland China, Malaysia", Height=400µm, Impedance=50O, Insertion Loss (dB)=0.75dB, Introduction Date=2020-03-06, Lifecycle Status=Production, Max Operating Temperature=85°C, Mount="Surface Mount", Number of Circuits=1, Number of Terminals=6, Part Description="RF Switch IC WLAN SPDT 50Ohm PG-TSNP-6-10", Pricing 1="1=0,33, 10=0,281, 25=0,2644, 100=0,2416, 250=0,2278, 500=0,21806, 1000=0,20884, 5000=0,18938 (USD)", REACH SVHC=Yes, RoHS=Compliant, Schedule B="8542390000, 8542390000|8542390000, 8542390000|8542390000|8542390000, 8542390000|8542390000|8542390000|8542390000", Stock 1=60589, Supplier 1=DigiKey, Turn-On Delay Time=220ns
IC52 IC54: library part TQP3M9018_PA, Manufacturer=Qorvo, Manufacturer Part Number 1=TQP3M9019, Supplier Part Number 1=772-TQP3M9019, Part Description="RF Amplifier .05-4GHz P1dB= 22dB Gain 26.4dB 5Volts", Pricing 1="1=7,48, 10=7,48, 50=5,43, 100=4,41, 1000=2,44, 10000=2,35 (USD)", RoHS=Yes, Stock 1=6804, Supplier 1=Mouser
IC53 IC55: library part HHM22152A2_coupler, Case/Package=1608, Case Code (Imperial)=0603, Manufacturer=TDK, Max Power Dissipation=3W, Supplier Part Number 1=445-175379-1-ND, Case Code (Metric)=1608, Insertion Loss=0.4dB, Manufacturer Part Number 1=HHM22152A2, Packaging="Cut Tape", Part Description="RF Directional Coupler General Purpose 3W 0603 (1608 Metric), 6 PC Pad", Pricing 1="1=0,22, 10=0,192, 25=0,1804, 100=0,1648, 250=0,15532, 500=0,14864, 1000=0,14231 (USD)", Return Loss=15dB, RoHS=Yes, Series=HHM, Stock 1=18287, Supplier 1=Digikey
IC58 IC59: library part SPF5043Z_RF_LNA, Manufacturer=Qorvo, Supplier Part Number 1=772-SPF5043Z, Manufacturer Part Number 1=SPF5043Z, Part Description="RF Amplifier .05-4GHz SSG 12.9dB NF .8dB GaAs", Pricing 1="1=3,68000, 10=3,68000, 50=2,67000, 100=2,17000, 1000=1,20000, 10000=1,06000 (USD)", RoHS=Yes, RoHS Compliant=Yes, Stock 1=151851, Supplier 1=Mouser
IC64: Current - Output=6A, Frequency - Switching="200kHz ~ 1.4MHz", Manufacturer="Analog Devices Inc.", Manufacturer Part Number=ADP2386ACPZN-R7, Operating Temperature="-40°C ~ 125°C (TJ)", Package / Case="24-WFQFN Exposed Pad, CSP", Supplier Device Package 1="24-LFCSP-WQ (4x4)", Supplier Part Number 1=ADP2386ACPZN-R7DKR-ND, Voltage - Input (Max)=20V, Voltage - Input (Min)=4.5V, Voltage - Output (Max)=18V, Voltage - Output (Min/Fixed)=0.6V, Category="Integrated Circuits (ICs)", Function=Step-Down, Manufacturer Part Number 1=ADP2386ACPZN-R7, Mounting Type="Surface Mount", Number of Outputs=1, Output Configuration=Positive, Output Type=Adjustable, Packaging=Digi-Reel®, Part Description="IC REG BUCK ADJ 6A SYNC 24LFCSP", RoHS="RoHS Compliant", Supplier 1=Digi-Key, Synchronous Rectifier=Yes, Topology=Buck
IC65: Current - Output=6A, Frequency - Switching="200kHz ~ 1.4MHz", Manufacturer="Analog Devices Inc.", Manufacturer Part Number 1=ADP2386ACPZN-R7, Operating Temperature="-40°C ~ 125°C (TJ)", Package / Case="24-WFQFN Exposed Pad, CSP", Supplier Device Package="24-LFCSP-WQ (4x4)", Supplier Part Number 1=ADP2386ACPZN-R7DKR-ND, Voltage - Input (Max)=20V, Voltage - Input (Min)=4.5V, Voltage - Output (Max)=18V, Voltage - Output (Min/Fixed)=0.6V, Category="Integrated Circuits (ICs)", Function=Step-Down, Mounting Type="Surface Mount", Number of Outputs=1, Output Configuration=Positive, Output Type=Adjustable, Packaging=Digi-Reel®, Part Description="Buck Switching Regulator IC Positive Adjustable 0.6V 1 Output 6A 24-WFQFN Exposed Pad, CSP", RoHS="RoHS Compliant", Supplier 1=Digi-Key, Synchronous Rectifier=Yes, Topology=Buck
IC66 IC67 IC68 IC70 IC71: library part AP7361, Current - Limit (Min)=1.1A, Current - Output=1A, Manufacturer="Diodes Incorporated", Manufacturer Part Number 1=AP7361-FGE-7, Operating Temperature="-40°C ~ 85°C", Package / Case="8-UDFN Exposed Pad", Supplier Device Package=U-DFN3030-8, Supplier Part Number 1=AP7361-FGE-7DICT-ND, Voltage - Dropout (Typical)="0.5V @ 1A", Voltage - Input="2.2 V ~ 6 V", Voltage - Output="0.8 V ~ 5.5 V", Category="Integrated Circuits (ICs)", Mounting Type="Surface Mount", Number of Regulators=1, Packaging="Cut Tape (CT)", Part Description="IC REG LDO ADJ 1A 8DFN", Regulator Topology="Positive Adjustable", RoHS="RoHS Compliant", Supplier 1=Digi-Key